# Allegro board RK3576_TEMPLATE_LP4XD200P132SD6_24X34_2133MHz_H1R6_V11_20240529YWQ.brd (continued)
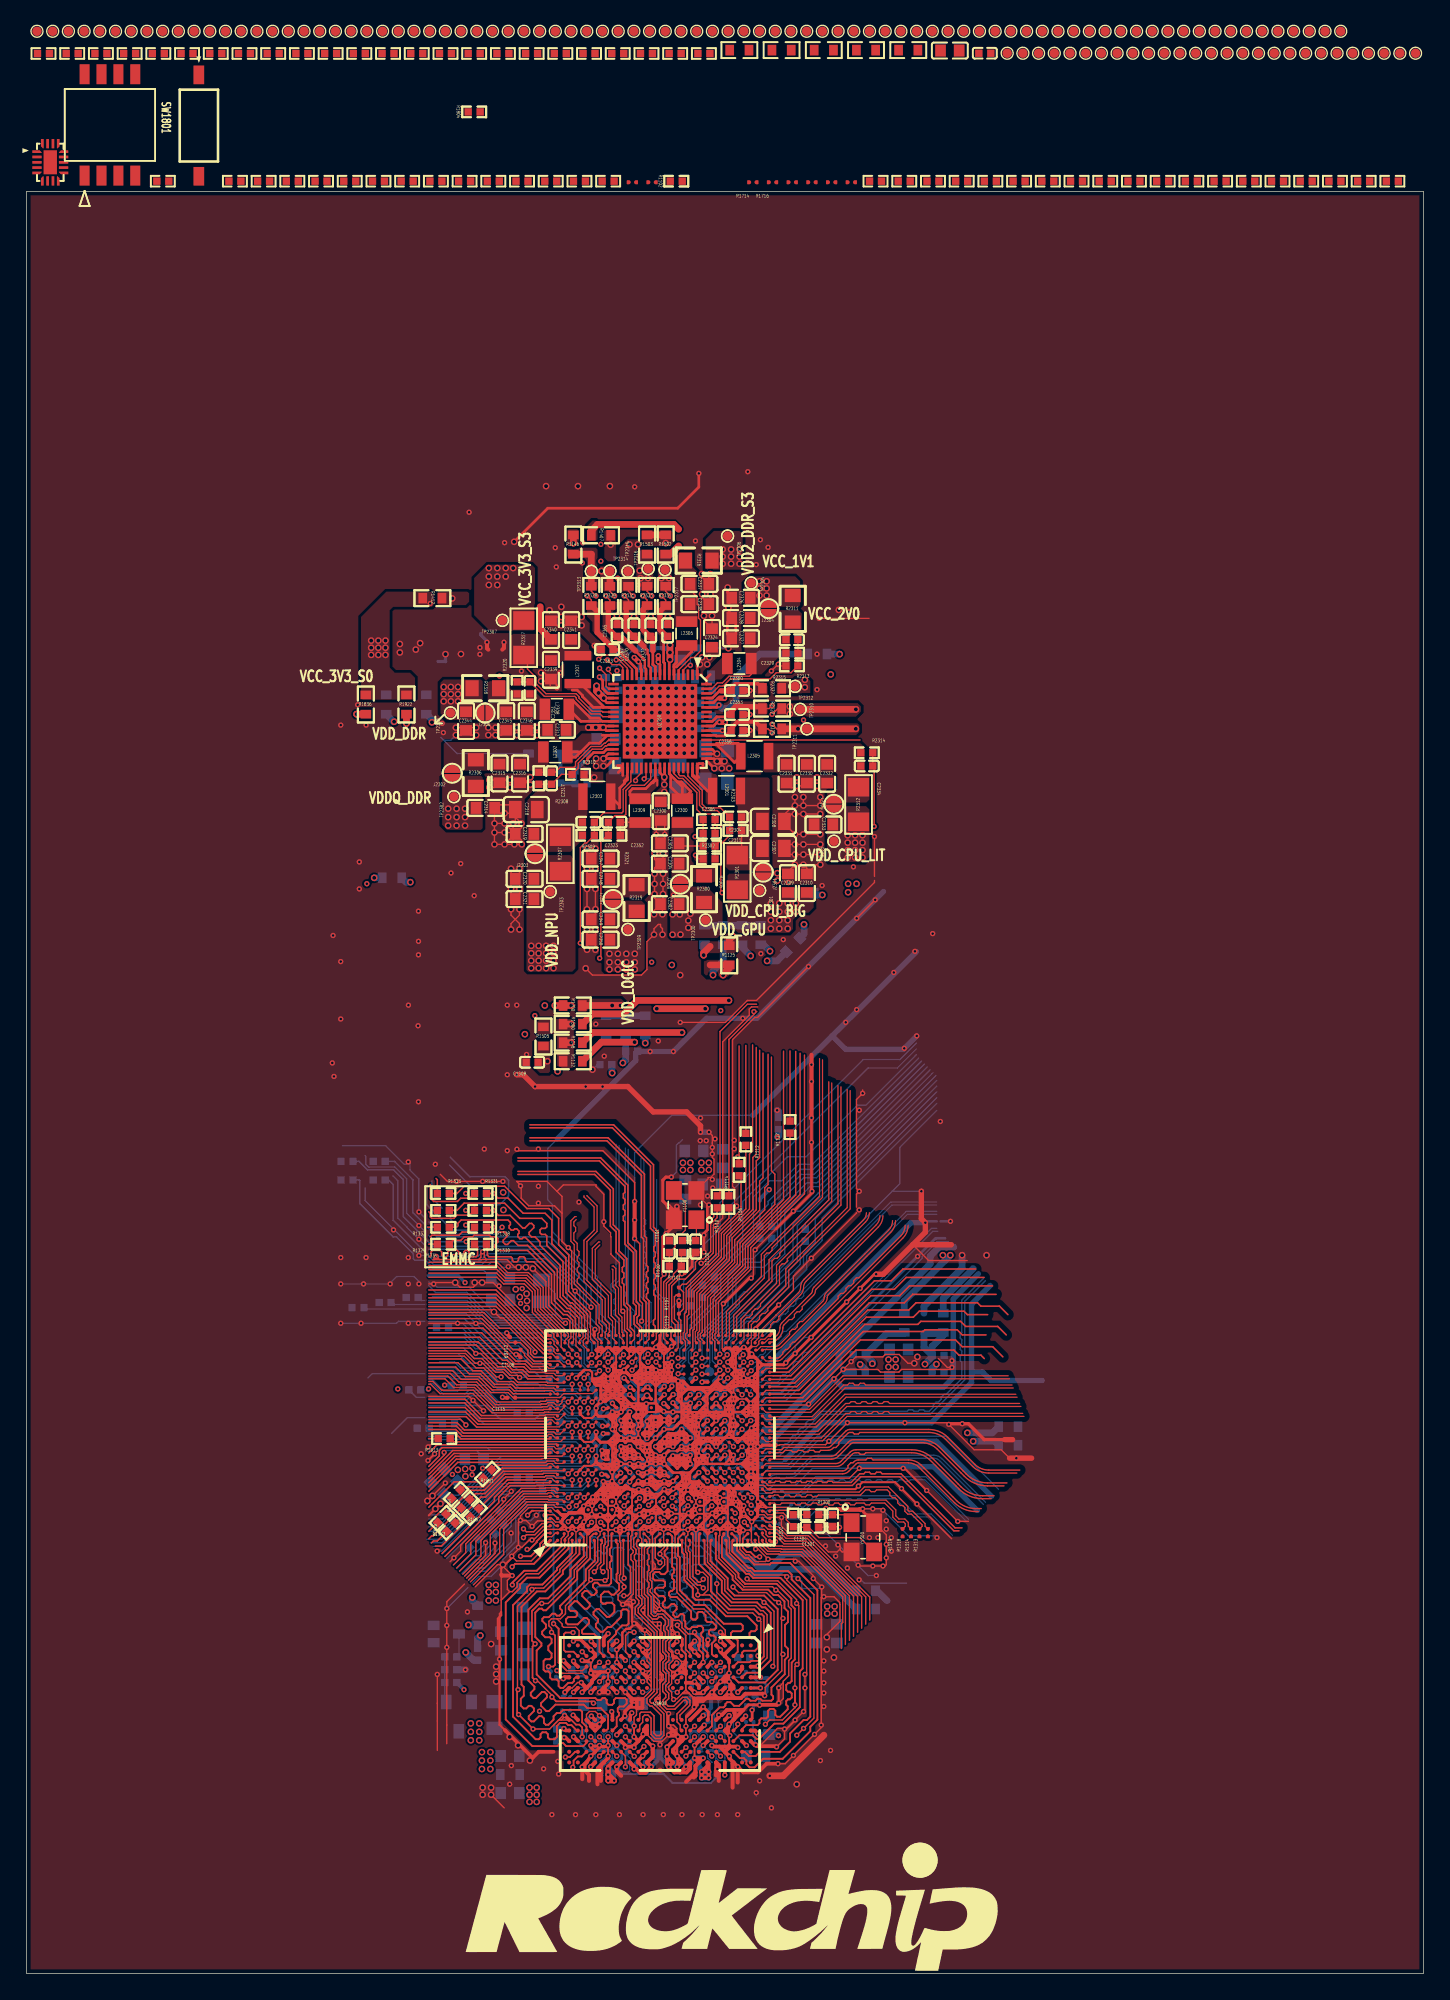
[diagram p0: board, top side]
## Routing (per net, layer and track width the routed paths; a pad name or vN(x,y) marks a point on that pad's centre or on a via; arc(x,y) is an arc through that point) (continued)
LPDDR4_CLKP_B: length 20.5
  TOP w0.107: U3800.P8 46.1,19.16 46.1,19.53 46.21,19.64 46.91,19.64 47.18,19.37 47.18,18.06 47.36,17.88 47.59,17.88 47.7,17.99 47.7,19.42 47.02,20.1 46.88,20.1 46.65,20.33 46.65,20.67 47.18,21.21 47.18,25.61 45.77,27.02 45.77,27.54 46.04,27.81 46.04,28.03 45.82,28.25 45.82,31.02 45.7,31.14 45.7,31.44 45.82,31.56 45.82,31.87 45.65,32.04 45.65,32.69 45.83,32.87 U1000.1K1
LPDDR4_CSN0_A: length 17.9
  TOP w0.114: v1(48.56,35.13) U1000.1R4 ; U3800.H4 v1(50.23,22.59)
  BOTTOM w0.114: v1(50.23,22.59) 49.7,23.11 49.7,23.4 49.53,23.57 49.53,26.16 50.04,26.67 50.28,26.67 50.39,26.78 50.39,27.03 50.05,27.37 50.05,27.6 50.16,27.71 50.43,27.71 50.55,27.83 50.55,27.99 50.43,28.1 50.23,28.1 50.05,28.28 50.05,29.14 50.16,29.25 50.3,29.25 50.42,29.37 50.42,29.6 50.3,29.71 50.16,29.71 50.05,29.83 50.05,30.62 50.16,30.73 50.94,30.73 51.05,30.85 51.05,31.23 50.91,31.37 50.22,31.37 50.1,31.48 50.1,31.69 49.02,32.77 49.02,34.92 48.82,35.13 v1(48.56,35.13)
LPDDR4_CSN0_B: length 19.9
  TOP w0.114: v1(45.02,22.74) 45.02,22.59 U3800.R4 ; U1000.1J5 v1(44.93,35.16)
  BOTTOM w0.089: 44.58,23.75 44.7,23.63 44.7,23.06 v1(45.02,22.74)
  BOTTOM w0.114: 44.58,23.75 43.69,23.75 43.31,24.13 43.31,26.04 41.4,27.94 41.4,30.86 42.02,31.48 42.02,31.64 41.8,31.86 41.8,32.02 41.96,32.18 42.12,32.18 42.34,31.96 42.5,31.96 42.66,32.12 42.66,32.29 42.45,32.5 42.45,32.67 42.61,32.83 42.77,32.83 42.99,32.61 43.15,32.61 43.43,32.89 45.17,32.89 45.28,33.01 45.28,34.8 v1(44.93,35.16)
LPDDR4_CSN1_A: length 17.4
  TOP w0.114: U1000.1T4 v1(49.73,35.16) ; U3800.H3 v1(50.22,23.39)
  BOTTOM w0.114: v1(50.22,23.39) 50.22,23.51 49.87,23.86 49.87,25.86 50.16,26.16 51.31,26.16 51.49,26.34 51.49,26.65 51.37,26.77 51.04,26.77 50.93,26.88 50.93,27.11 51.04,27.23 51.37,27.23 51.49,27.34 51.49,27.57 51.37,27.68 51.04,27.68 50.93,27.8 50.93,28.03 51.04,28.14 51.37,28.14 51.54,28.3 51.54,29.97 51.36,30.15 51.36,30.41 51.54,30.58 51.54,31.27 50.67,32.13 50.27,32.13 49.37,33.03 49.37,35.04 49.48,35.16 v1(49.73,35.16)
LPDDR4_CSN1_B: length 19.5
  TOP w0.114: v1(46.08,35.11) 46.08,35.11 U1000.1K4 ; U3800.R3 v1(45.68,22.74)
  BOTTOM w0.089: v1(45.68,22.74) U3800.R3 45.35,23.75
  BOTTOM w0.114: 45.35,23.75 45.35,23.87 44.83,24.38 44.83,25.27 42.16,27.94 42.16,28.16 42.28,28.28 42.39,28.28 42.5,28.39 42.5,28.62 42.39,28.73 42.28,28.73 41.91,29.1 41.91,30.73 42.31,31.13 42.47,31.13 42.69,30.91 42.85,30.91 43.01,31.07 43.01,31.24 42.79,31.45 42.79,31.62 42.95,31.78 43.12,31.78 43.34,31.56 43.5,31.56 43.66,31.72 43.66,31.88 43.44,32.1 43.44,32.26 43.69,32.51 45.39,32.51 45.59,32.72 45.59,34.63 46.08,35.11 v1(46.08,35.11)
LPDDR4_DMI0_A: length 15.1
  TOP w0.137: U3800.C3 53.49,23.4 54.39,23.4 54.48,23.5 55.1,23.5 55.43,23.82 55.43,26.85 55.28,27 55.08,27 54.71,27.37 52.8,27.37 51.45,28.72 51.45,29.87 50.55,30.78 50.55,32.98 U1000.1V1
LPDDR4_DMI0_B: length 15
  TOP w0.097: 40.59,22.78 40.61,22.76 41.8,22.76 U3800.Y3
  TOP w0.102: U1000.B4 39.65,34.48 39.03,34.48 v1(38.99,34.45)
  TOP w0.137: 40.59,22.78 40.01,23.37 40.01,25.91 v1(39.62,26.29)
  BOTTOM w0.137: v1(38.99,34.45) 39.62,33.82 v1(39.62,26.29)
LPDDR4_DMI1_A: length 22.6
  TOP w0.137: U1000.AE1 52.63,32.5 52.63,31.51 54.11,30.04 54.33,30.04 54.63,29.73 56.68,29.73 58.36,28.06 58.36,22.92 58.14,22.71 58.14,20.02 56.9,18.78 56.23,18.78 55.08,17.63 54.89,17.63 54.61,17.91 53.6,17.91 U3800.C10
LPDDR4_DMI1_B: length 23.9
  TOP w0.102: 40.75,32.39 40.75,32.67 41.02,32.95 U1000.1B1
  TOP w0.137: 40.75,32.39 40.75,31.93 38.57,29.75 37.63,29.75 37.11,29.23 37.11,28.98 36.03,27.89 36.03,19.09 38.03,17.09 39.91,17.09 40.14,17.32 40.34,17.32 40.57,17.09 41.85,17.09 42.1,17.33 U3800.Y10
LPDDR4_DQ0_A: length 14.4
  TOP w0.137: U1000.W1 49.27,31.67 49.45,31.49 49.45,29.57 50.1,28.92 50.1,28.3 50.32,28.09 51.36,28.09 52.59,26.85 54.2,26.85 54.9,26.15 54.9,25.87 54.76,25.73 54.49,25.73 54.36,25.59 54.36,25.32 54.49,25.18 54.85,25.18 54.99,25.04 54.99,24.49 54.76,24.26 53.94,24.26 53.8,24.12 U3800.B2
LPDDR4_DQ0_B: length 14.2
  TOP w0.127: U3800.AA2 41.13,24.19 40.53,24.19 40.4,24.31 40.4,25.5 40.53,25.63 v1(41.09,25.63)
  TOP w0.137: v1(42.48,33.91) 42.48,33.91 U1000.1D2
  L4-SIG w0.117: v1(41.09,25.63) 41.12,25.65 41.13,25.65 41.28,25.81 41.28,31.06 41.45,31.23 41.45,32.05 41.58,32.18 41.74,32.18 41.86,32.06 41.86,31.51 42,31.37 42.16,31.37 42.27,31.47 42.27,33.7 42.48,33.91 v1(42.48,33.91)
LPDDR4_DQ1_A: length 13.9
  TOP w0.137: U1000.1T1 49.35,33.06 48.98,32.7 48.98,31.41 49.12,31.28 49.12,28.8 50.22,27.7 51.01,27.7 52.42,26.29 53.7,26.29 53.85,26.14 53.85,25.86 53.71,25.73 53.1,25.73 52.96,25.59 52.96,25.31 53.1,25.18 53.33,25.18 53.47,25.04 53.47,24.18 U3800.C2
LPDDR4_DQ1_B: length 15.7
  TOP w0.137: U1000.1F2 v1(43.17,33.91) ; U3800.Y2 v1(41.77,24.19)
  L4-SIG w0.117: v1(43.17,33.91) 42.76,33.51 42.76,33.24 42.94,33.07 42.94,32.9 42.76,32.73 42.76,32.47 42.88,32.36 43.68,32.36 43.79,32.24 43.79,32.01 43.68,31.89 42.88,31.89 42.76,31.77 42.76,31.52 42.92,31.37 43.82,31.37 43.94,31.25 43.94,30.93 43.82,30.82 41.89,30.82 41.77,30.7 v1(41.77,24.19)
LPDDR4_DQ2_A: length 14.3
  TOP w0.137: U3800.E2 51.67,23.86 51.53,24 51.53,24.79 51.81,25.07 51.81,25.26 51.67,25.4 51.45,25.4 51.31,25.54 51.31,25.73 51.42,25.85 51.74,25.85 51.85,25.96 51.85,26.13 51.56,26.42 51.19,26.42 51.05,26.55 51.05,26.92 50.8,27.18 50.53,27.18 50.44,27.09 50.44,26.73 50.3,26.59 50.1,26.59 49.97,26.73 49.97,27.22 48.89,28.3 48.44,28.3 48.3,28.43 48.3,28.63 48.44,28.77 48.54,28.77 48.67,28.9 48.67,29.58 48.54,29.72 48.54,30 48.67,30.13 48.67,30.45 48.54,30.58 48.54,32.87 48.35,33.06 U1000.1P1
LPDDR4_DQ2_B: length 19.3
  TOP w0.137: U1000.1G1 43.98,33.01 43.98,32.04 43.85,31.92 43.85,31.46 43.98,31.33 43.98,31.02 43.85,30.9 43.85,30.5 43.95,30.4 43.95,29.35 43.78,29.17 43.12,29.17 42.92,29.37 42.72,29.37 42.59,29.24 42.59,29.04 42.85,28.77 42.85,28.63 42.67,28.45 42.48,28.45 42.17,28.75 41.98,28.75 41.78,28.56 41.78,28.37 42.34,27.81 42.34,27.61 42.15,27.42 41.96,27.42 41.39,27.98 41.2,27.98 40.77,27.55 40.77,27.39 40.9,27.26 41.26,27.26 41.4,27.12 41.4,26.92 41.26,26.79 40.72,26.79 40.56,26.62 40.56,26.38 40.69,26.24 41.43,26.24 41.91,26.73 42.11,26.73 42.29,26.55 42.29,26.32 41.76,25.8 41.76,25.61 41.84,25.53 42.67,25.53 43.08,25.12 43.08,24.18 U3800.V2
LPDDR4_DQ3_A: length 16
  TOP w0.137: U1000.U1 48.18,31.95 47.97,31.74 47.97,31.46 48.2,31.23 48.2,30.25 47.97,30.02 47.73,30.02 47.57,30.17 47.27,30.17 47.11,30.01 47.11,29.69 47.24,29.55 47.87,29.55 48.01,29.41 48.01,29.14 47.87,29 47.36,29 47.23,28.86 47.23,28.67 47.52,28.38 47.87,28.38 48.01,28.24 48.01,28.05 47.84,27.88 47.84,27.64 47.98,27.5 48.22,27.5 48.49,27.77 48.68,27.77 48.88,27.58 48.88,27.38 48.63,27.13 48.63,26.94 48.77,26.8 48.96,26.8 49.17,27.01 49.33,27.01 49.45,26.9 49.45,26.53 49.53,26.45 49.53,26.08 49.71,25.9 49.91,25.9 50.04,26.04 50.42,26.04 50.5,26.12 50.73,26.12 50.87,25.98 50.87,25.72 50.73,25.58 50.73,25.37 50.87,25.23 50.87,24.44 51.2,24.11 U3800.F2
LPDDR4_DQ3_B: length 19.1
  TOP w0.137: U1000.K1 44.33,32.41 44.44,32.3 44.44,30.1 44.36,30.01 44.36,29.46 44.55,29.27 44.55,28.86 44.17,28.47 43.98,28.47 43.75,28.7 43.44,28.7 43.18,28.44 43.18,27.95 43.34,27.79 43.54,27.79 43.62,27.87 44,27.87 44.2,27.68 44.2,27.18 43.82,26.8 43.63,26.8 43.05,27.39 42.85,27.39 42.63,27.16 42.63,26.97 42.97,26.63 42.97,26.44 42.8,26.27 42.8,26.03 43.15,25.69 43.34,25.69 43.69,26.04 43.94,26.04 44.7,26.8 44.7,27.23 44.84,27.37 45.13,27.37 45.27,27.23 45.27,26.3 45.13,26.16 44.78,26.16 44.32,25.71 44.32,25.53 43.73,24.93 43.73,24.18 U3800.U2
LPDDR4_DQ4_A: length 13.6
  TOP w0.137: v1(50.37,34) 50.37,34 U1000.1V3 ; U3800.F4 v1(50.88,22.59)
  L4-SIG w0.089: 50.55,23.62 50.55,22.91 v1(50.88,22.59)
  L4-SIG w0.117: v1(50.37,34) 50.36,34 50.36,33.83 50.69,33.51 50.69,33.21 49.6,32.13 49.6,27.41 50.8,26.21 50.8,23.87 50.55,23.62
LPDDR4_DQ4_B: length 16.6
  TOP w0.114: U3800.U4 v1(44.37,21.94)
  TOP w0.137: U1000.1C3 v1(41.34,33.98)
  L4-SIG w0.117: v1(44.37,21.94) 43.94,22.37 43.58,22.37 43.4,22.55 42.97,22.55 42.43,23.09 40.97,23.09 40.74,23.32 40.74,23.78 40.38,24.13 40.38,25.69 40.78,26.08 40.78,32.27 41.69,33.18 41.69,33.5 41.34,33.84 v1(41.34,33.98)
LPDDR4_DQ5_A: length 15.8
  TOP w0.137: v1(51.52,35.16) U1000.1W4 ; U3800.E4 v1(51.52,21.94)
  L4-SIG w0.089: 51.2,23.63 51.2,22.26 v1(51.52,21.94)
  L4-SIG w0.117: 51.2,23.63 51.61,24.05 51.61,26.11 50.1,27.62 50.1,31.92 51.12,32.95 51.12,33.56 50.96,33.73 50.96,34.6 v1(51.52,35.16)
LPDDR4_DQ5_B: length 15.7
  TOP w0.137: U1000.1B3 v1(40.72,33.96) ; U3800.V4 v1(43.07,21.94)
  L4-SIG w0.117: v1(43.07,21.94) 42.53,21.94 41.87,22.6 40.81,22.6 39.89,23.52 39.89,25.79 40.18,26.09 40.18,26.87 40.01,27.05 40.01,33.24 v1(40.72,33.96)
LPDDR4_DQ6_A: length 17
  TOP w0.137: U3800.C4 53.53,21.88 55.53,21.88 56.48,22.82 56.48,27.39 55.45,28.41 53.23,28.41 52.72,28.93 52.72,29.71 51.42,31 51.42,32.5 U1000.AC1
LPDDR4_DQ6_B: length 17.1
  TOP w0.097: 40.31,22.56 41.8,22.56 U3800.Y4
  TOP w0.102: U1000.A5 39.35,34.78 38.1,34.78
  TOP w0.137: 38.1,34.78 38,34.78 v1(37.67,34.45) ; v1(39.88,22.77) 40.08,22.56 40.31,22.56
  L4-SIG w0.117: v1(39.88,22.77) 39.88,22.94 39.39,23.43 39.39,25.25 39.08,25.56 39.08,26.89 39.37,27.18 39.37,32.76 37.68,34.45 v1(37.67,34.45)
LPDDR4_DQ7_A: length 15
  TOP w0.137: U3800.B4 54.14,22.61 55.01,22.61 55.95,23.55 55.95,27.11 55.54,27.52 55.29,27.52 54.92,27.89 53.02,27.89 52.27,28.63 52.27,29.52 50.98,30.82 50.98,32.51 U1000.AB1
LPDDR4_DQ7_B: length 17.6
  TOP w0.137: U1000.G1 42.72,32.51 42.72,31.42 42.72,31.42 42.72,31.04 42.05,30.36 42.05,29.56 40.11,27.63 40.11,27.43 40.26,27.29 40.26,27.09 40.07,26.9 39.87,26.9 39.73,27.04 39.53,27.04 39.27,26.78 38.9,26.78 38.78,26.66 38.78,26.5 39.05,26.23 39.05,25.98 38.77,25.69 38.77,25.5 39,25.27 39.34,25.27 39.48,25.14 39.48,24.85 39.23,24.61 39.23,24.31 39.48,24.06 39.48,23.76 39.34,23.62 39.01,23.62 38.87,23.48 38.87,22.84 39.01,22.7 39.23,22.7 39.37,22.56 39.37,22.24 39.51,22.1 39.87,22.1 40.01,21.96 40.01,21.6 40.14,21.46 40.35,21.46 40.73,21.84 41.03,21.84 41.15,21.97 41.15,22.12 41.29,22.26 U3800.AA4
LPDDR4_DQ8_A: length 24.2
  TOP w0.137: U3800.B11 54,16.66 54.32,16.34 54.82,16.34 55.13,16.65 56.64,16.65 57.4,17.42 57.4,18.03 58.42,19.05 58.67,19.05 58.93,19.3 58.93,28.22 57.52,29.63 57.52,29.98 57.25,30.25 54.74,30.25 54.51,30.48 54.29,30.48 53.07,31.7 53.07,32.5 U1000.AF1
LPDDR4_DQ8_B: length 22
  TOP w0.102: 40.2,32.42 40.2,32.69 40.42,32.91 U1000.1A1
  TOP w0.137: 40.2,32.42 40.2,32.12 38.36,30.27 37.41,30.27 36.52,29.38 v1(36.52,29.21) ; U3800.AA11 41.25,16.66 40.86,16.27 v1(40.51,16.27)
  L4-SIG w0.117: v1(36.52,29.21) 36.52,21.23 38.99,18.77 38.99,17.25 39.81,16.43 40.35,16.43 v1(40.51,16.27)
LPDDR4_DQ9_A: length 27.2
  TOP w0.137: U1000.1AB1 53.04,33.06 53.42,32.68 53.42,31.8 54,31.22 54.24,31.22 54.71,30.75 55.88,30.75 55.99,30.86 57.4,30.86 59.46,28.8 59.46,19.08 58.93,18.54 58.93,18.21 56.85,16.13 55.38,16.13 54.74,15.49 54.36,15.49 54.12,15.73 54.12,15.99 53.93,16.18 53.63,16.18 U3800.C11
LPDDR4_DQ9_B: length 24.1
  TOP w0.137: U1000.B1 39.91,32.56 38.14,30.79 36.73,30.79 v1(36.51,30.57) ; v1(41.07,15.5) 41.13,15.56 41.13,15.99 41.45,16.31 41.75,16.31 U3800.Y11
  L4-SIG w0.117: v1(41.07,15.5) 39.87,15.5 38.49,16.88 38.49,18.56 36.03,21.03 36.03,30.08 36.51,30.56 v1(36.51,30.57)
LPDDR4_DQ10_A: length 23.4
  TOP w0.137: v1(55.12,31.32) 54.79,31.32 54.43,31.68 54.16,31.68 53.85,31.98 53.85,32.69 U1000.1AD1 ; U3800.E11 v1(52.18,16.33)
  L4-SIG w0.117: v1(55.12,31.32) 55.12,30.75 57.41,28.45 57.41,19.38 56.13,18.09 56.13,17.28 54.8,15.95 52.56,15.95 v1(52.18,16.33)
LPDDR4_DQ10_B: length 23.3
  TOP w0.102: U1000.B2 39.76,33.11 39.49,32.83 39.15,32.83
  TOP w0.137: v1(43.07,16.34) U3800.V11 ; 39.15,32.83 38.61,32.3 38.61,32.05 37.92,31.36 v1(37.14,31.36)
  L4-SIG w0.117: v1(37.14,31.36) 37.14,21.72 39.51,19.35 39.51,17.85 39.51,17.44 40.06,16.88 41.08,16.88 41.98,15.98 42.72,15.98 v1(43.07,16.34)
LPDDR4_DQ11_A: length 21.9
  TOP w0.137: U3800.F11 v1(51.52,16.34) ; U1000.AH1 v1(54.22,32.2)
  L4-SIG w0.117: v1(51.52,16.34) 51.91,16.72 52.95,16.72 53.16,16.51 54.66,16.51 55.6,17.45 55.6,18.26 56.91,19.58 56.91,23.44 56.5,23.86 56.5,27.42 55.88,28.04 55.88,28.96 54.22,30.61 v1(54.22,32.2)
LPDDR4_DQ11_B: length 22.9
  TOP w0.137: v1(44.37,16.34) U3800.U11 ; U1000.A2 38.97,33.11 38.35,32.49 38.35,32.42 37.81,31.88 v1(37.64,31.88)
  L4-SIG w0.117: v1(37.64,31.88) 37.64,21.93 40.01,19.56 40.01,17.64 40.27,17.38 41.68,17.38 42.31,16.75 43.97,16.75 v1(44.37,16.34)
LPDDR4_DQ12_A: length 23.7
  TOP w0.137: U1000.1Y1 51.82,31.14 53.09,29.88 53.09,29.61 53.46,29.23 53.46,29.23 53.84,28.85 55.76,28.85 56.17,28.45 56.51,28.45 56.99,27.97 56.99,27.47 57.25,27.21 57.25,26.42 57.02,26.19 57.02,24.64 57.25,24.41 57.25,23.82 57.01,23.58 57.01,22.49 56.01,21.49 56.01,20.96 56.13,20.83 56.13,20.64 56,20.5 55.32,20.5 55.17,20.65 54.95,20.65 54.81,20.5 54.43,20.5 54.29,20.65 54.1,20.65 53.57,20.12 53.2,20.12 52.93,20.39 52.68,20.39 52.54,20.25 52.54,20.14 52.41,20 52.12,20 51.53,19.41 51.53,18.59 U3800.F9
LPDDR4_DQ12_B: length 24.8
  TOP w0.137: U1000.1E1 42.64,33.06 42.37,32.79 42.37,31.2 41.4,30.24 41.4,29.65 39.06,27.3 38.86,27.3 38.74,27.43 38.54,27.43 38.25,27.13 38.25,25.29 38.71,24.83 38.71,24.63 38.35,24.28 38.35,22.48 40.13,20.7 42.76,20.7 42.92,20.54 43.15,20.54 43.31,20.7 43.48,20.7 43.62,20.56 43.62,20.33 43.75,20.19 44.03,20.19 44.17,20.33 44.17,20.56 44.3,20.7 44.98,20.7 45.12,20.56 45.12,20.29 44.9,20.07 44.58,20.07 44.45,19.94 44.45,19.68 44.54,19.59 44.54,19.4 44.37,19.23 44.37,18.58 U3800.U9
LPDDR4_DQ13_A: length 21.8
  TOP w0.137: U3800.E9 v1(52.18,18.59) ; v1(51.52,33.96) U1000.1W2
  L4-SIG w0.117: v1(52.18,18.59) 52.43,18.84 52.43,20.2 52.67,20.45 53.78,20.45 54.12,20.79 54.12,23.46 54,23.58 53.71,23.58 53.59,23.7 53.59,23.93 53.71,24.05 54,24.05 54.12,24.16 54.12,24.4 54,24.52 53.71,24.52 53.59,24.63 53.59,24.87 53.71,24.98 54,24.98 54.12,25.1 54.12,25.33 54,25.45 53.71,25.45 53.59,25.57 53.59,25.8 53.71,25.92 54,25.92 54.12,26.03 54.12,26.68 52.26,28.54 52.26,29.44 51.11,30.59 51.11,32.23 51.9,33.01 51.9,33.59 v1(51.52,33.96)
LPDDR4_DQ13_B: length 24.4
  TOP w0.137: U3800.V9 43.58,18.26 43.72,18.4 43.72,19.4 43.18,19.94 42.16,19.94 41.89,20.21 39.77,20.21 39.28,19.72 39.08,19.72 38.68,20.12 38.68,20.32 39.13,20.76 39.13,20.97 38.94,21.16 38.75,21.16 38.3,20.71 38.1,20.71 37.91,20.9 37.91,21.1 38.18,21.37 38.18,21.57 37.73,22.02 37.73,27.34 38.59,28.2 39.21,28.2 40.89,29.88 40.89,30.35 41.89,31.35 41.89,32.79 U1000.1C1
LPDDR4_DQ14_A: length 21.5
  TOP w0.137: v1(53.48,18.74) 53.48,18.59 U3800.C9 ; U1000.1AA3 52.17,34.01 v1(52.17,34.01)
  L4-SIG w0.117: v1(52.17,34.01) 52.17,33.92 52.22,33.86 52.22,32.15 52.1,32.04 51.73,32.04 51.61,31.92 51.61,31.69 51.73,31.57 52.1,31.57 52.22,31.45 52.22,31.22 52.1,31.1 51.81,31.1 51.69,30.99 51.69,30.75 51.81,30.64 52.1,30.64 52.22,30.52 52.22,30.18 52.76,29.65 52.76,28.78 53.53,28.01 53.69,28.01 53.84,28.16 54.01,28.16 54.17,27.99 54.17,27.83 54.02,27.68 54.02,27.51 54.62,26.92 54.62,25.98 54.73,25.86 54.87,25.86 54.99,25.75 54.99,25.51 54.87,25.39 54.73,25.39 54.62,25.28 54.62,25.04 54.73,24.93 54.87,24.93 54.99,24.81 54.99,24.58 54.87,24.46 54.73,24.46 54.62,24.34 54.62,20.58 53.98,19.94 53.46,19.94 53.34,19.82 53.34,18.87 v1(53.48,18.74)
LPDDR4_DQ14_B: length 23.9
  TOP w0.137: U3800.Y9 42.1,18.55 41.77,18.88 41.77,19.67 41.64,19.81 40.35,19.81 40.11,19.58 39.87,19.58 39.62,19.33 39.62,19.08 39.23,18.69 39.04,18.69 38.9,18.83 38.9,19.17 38.73,19.34 38.54,19.34 38.14,18.95 37.95,18.95 37.76,19.14 37.76,19.33 38.15,19.73 38.15,19.92 37.95,20.11 37.76,20.11 37.57,19.92 37.37,19.92 37.16,20.14 37.16,20.65 37.39,20.88 37.39,21.54 37.21,21.72 37.21,27.56 38.37,28.72 39,28.72 40.32,30.04 40.32,30.29 41.57,31.54 U1000.E1
LPDDR4_DQ15_A: length 23
  TOP w0.137: U3800.B9 53.8,18.37 54.1,18.67 54.97,18.67 55.11,18.81 55.11,19.04 55.24,19.18 55.62,19.18 55.75,19.31 55.75,19.75 55.89,19.88 56.16,19.88 56.3,19.75 56.3,19.43 56.44,19.29 56.66,19.29 57.23,19.86 57.23,20.09 57.12,20.2 57.12,20.47 57.25,20.6 57.4,20.6 57.53,20.74 57.53,21.04 57.4,21.18 57.25,21.18 57.12,21.31 57.12,21.68 57.28,21.84 57.39,21.84 57.53,21.98 57.53,23.36 57.76,23.6 57.76,27.42 57.51,27.68 57.51,28.18 56.39,29.29 54.03,29.29 54.02,29.3 53.8,29.51 53.53,29.79 53.53,30.06 52.28,31.31 52.28,32.8 52.42,32.94 U1000.1AA1
LPDDR4_DQ15_B: length 23.2
  TOP w0.137: U1000.D1 41.02,31.63 39.88,30.48 39.88,30.33 38.79,29.24 37.84,29.24 37.63,29.02 37.63,28.74 36.58,27.69 36.58,19.3 38.27,17.61 38.51,17.61 38.65,17.74 38.65,17.99 38.78,18.13 39.06,18.13 39.2,17.99 39.2,17.74 39.33,17.61 39.69,17.61 39.88,17.79 39.88,18.61 40.1,18.83 40.55,18.83 40.71,18.67 40.97,18.67 41.37,18.26 U3800.AA9
LPDDR4_DQS0N_A: length 13.1
  TOP w0.107: U3800.E3 v1(52.18,23.39) ; U1000.Y1 49.88,32.51 49.88,32.2 49.76,32.08 49.76,31.78 49.88,31.66 49.88,29.75 50.44,29.19 50.66,29.19 v1(50.88,28.98)
  L4-SIG w0.089: v1(50.88,28.98) 51.08,29.18 51.21,29.18 51.31,29.08 51.31,28.45 51.47,28.29 51.47,28.06 51.66,27.86 51.9,27.86 52.1,27.66 52.1,27.43 52.29,27.23 52.53,27.23 52.72,27.03 52.72,26.75 52.56,26.59 52.56,26.31 52.72,26.14 52.72,25.86 52.56,25.7 52.56,25.42 52.72,25.25 52.72,24.69 52.56,24.52 52.56,24.24 52.72,24.08 52.72,23.33 52.51,23.11 52.26,23.11 52.18,23.2 v1(52.18,23.39)
LPDDR4_DQS0N_B: length 19.1
  TOP w0.107: U3800.V3 v1(43.72,23.39) ; v1(43.35,30.2) 43.15,30.39 43.15,30.55 43.4,30.8 43.4,32.16 43.5,32.26 43.5,32.7 43.43,32.78 U1000.1F1
  L4-SIG w0.089: v1(43.35,30.2) 43.15,29.99 43.15,29.43 42.51,28.8 42.51,27.34 42.6,27.25 42.84,27.25 42.93,27.34 42.93,28.59 43.16,28.83 43.74,28.83 43.98,28.59 43.98,27.4 44.58,26.8 44.58,26.06 44.34,25.82 43.92,25.82 43.36,26.38 42.6,26.38 42.51,26.3 42.51,26 42.6,25.91 43.07,25.91 43.31,25.67 43.31,25.4 43.64,25.06 43.64,24.69 43.41,24.45 43.29,24.45 43.2,24.36 43.2,24.23 43.56,23.88 43.56,23.55 v1(43.72,23.39)
LPDDR4_DQS0P_A: length 13.2
  TOP w0.107: U3800.D3 v1(52.18,22.74) ; U1000.1U1 50.1,32.98 50.1,29.84 50.53,29.42 50.66,29.42 v1(50.88,29.64)
  L4-SIG w0.089: v1(50.88,29.64) 51.08,29.43 51.31,29.43 51.56,29.18 51.56,28.55 52.98,27.14 52.98,23.23 52.61,22.86 52.3,22.86 v1(52.18,22.74)
LPDDR4_DQS0P_B: length 18.6
  TOP w0.107: v1(42.69,30.2) 42.93,30.43 42.93,30.64 43.18,30.89 43.18,32.26 43.28,32.35 43.28,32.51 U1000.H1 ; U3800.W3 v1(43.07,23.39)
  L4-SIG w0.089: v1(42.69,30.2) 42.89,29.99 42.89,29.54 42.26,28.9 42.26,27.23 42.5,26.99 42.94,26.99 43.18,27.23 43.18,28.49 43.27,28.58 43.64,28.58 43.72,28.49 43.72,27.29 44.32,26.69 44.32,26.17 44.23,26.08 44.03,26.08 43.47,26.64 42.5,26.64 42.26,26.4 42.26,25.89 42.5,25.65 42.96,25.65 43.05,25.57 43.05,25.29 43.39,24.96 43.39,24.79 43.3,24.7 43.19,24.7 42.95,24.47 42.95,24.13 43.31,23.77 43.31,23.62 v1(43.07,23.39)
LPDDR4_DQS1N_A: length 23.2
  TOP w0.107: v1(53.28,34) U1000.1AB3 ; U3800.E10 v1(51.53,17.79)
  L4-SIG w0.089: v1(53.28,34) 53.12,34.16 53.05,34.16 52.96,34.07 52.96,33.15 53.47,32.64 53.47,31.75 53.21,31.5 53.21,30.71 53.83,30.1 53.83,29.1 53.97,28.96 54.48,28.96 54.99,28.45 54.99,27.69 55.88,26.8 55.88,23.39 55.74,23.25 55.74,22.96 56.14,22.57 56.14,20.26 53.08,17.2 51.98,17.2 51.74,17.44 51.74,17.57 v1(51.53,17.79)
LPDDR4_DQS1N_B: length 23.3
  TOP w0.102: U1000.B3 39.76,33.66 39.49,33.93 39.21,33.93 39.2,33.93
  TOP w0.107: U3800.V10 v1(43.07,17.79) ; 39.2,33.93 39.1,33.82 38.74,33.82 38.13,33.2 37.58,33.2 v1(37.36,33.42)
  L4-SIG w0.089: v1(43.07,17.79) 42.86,18 42.86,18.17 42.51,18.53 42.01,18.53 41.92,18.62 41.92,20.06 41.39,20.59 40.53,20.59 38.61,22.51 38.61,23.75 38.84,23.98 38.84,25.04 38.37,25.51 38.37,25.93 38.6,26.15 38.6,27.21 38.37,27.43 38.37,28.24 38.61,28.47 38.61,32.82 38.22,33.21 37.57,33.21 v1(37.36,33.42)
LPDDR4_DQS1P_A: length 23.2
  TOP w0.107: v1(53.28,34.6) U1000.1AB4 ; U3800.D10 v1(52.18,17.79)
  L4-SIG w0.089: v1(52.18,17.79) 51.99,17.6 51.99,17.55 52.08,17.46 52.97,17.46 55.89,20.37 55.89,21.18 55.75,21.31 55.75,21.62 55.89,21.75 55.89,22.46 55.49,22.86 55.49,23.36 55.63,23.5 55.63,23.93 55.49,24.06 55.49,24.37 55.63,24.5 55.63,24.81 55.49,24.94 55.49,25.25 55.63,25.38 55.63,26.69 54.74,27.58 54.74,28.34 54.38,28.7 53.87,28.7 53.57,29 53.57,29.99 52.96,30.61 52.96,31.6 53.21,31.86 53.21,32.53 52.7,33.04 52.7,34.18 52.94,34.42 53.18,34.42 53.28,34.51 v1(53.28,34.6)
LPDDR4_DQS1P_B: length 22.4
  TOP w0.107: v1(37.36,32.76) 37.58,32.98 38.22,32.98 38.84,33.6 39.31,33.6 U1000.A3 ; U3800.W10 v1(42.43,17.79)
  L4-SIG w0.089: v1(42.43,17.79) 42.61,17.97 42.61,18.07 42.4,18.27 41.9,18.27 41.66,18.51 41.66,19.95 41.28,20.33 40.43,20.33 38.35,22.41 38.35,23.85 38.58,24.08 38.58,24.94 38.12,25.4 38.12,26.03 38.34,26.26 38.34,27.1 38.12,27.33 38.12,28.34 38.35,28.58 38.35,30.85 38.19,31.01 38.19,31.29 38.35,31.46 38.35,31.73 38.24,31.85 38.24,32.16 38.35,32.27 38.35,32.72 38.11,32.96 37.56,32.96 v1(37.36,32.76)
LPDDR4_RESET: length 43.1
  TOP w0.114: v1(49.77,35.71) 49.77,35.71 U1000.1U5 ; v1(45.03,15.54) 45.03,16.34 U3800.T11
  L4-SIG w0.091: v1(49.77,35.71) 50.17,36.11 54.8,36.11 55.37,35.54 55.37,32.89 58.87,29.38 58.87,18.09 56.91,16.13 56.26,16.13 55.32,15.19 53.33,15.19 53.06,15.46 52.36,15.46 52.04,15.79 50.35,15.79 49.48,14.91 45.28,14.91 45.03,15.17 v1(45.03,15.54)
  BOTTOM w0.114: v1(45.03,15.54) 45.12,15.64 C3800.1
MIPI_CSI1/2_AVDD0V75: length 47
  TOP w0.229: U1000.2L11 v1(50.55,43.51)
  TOP w0.508: v2(52.81,73.15) 45.91,73.15 44.89,72.14 42.55,72.14 R1500.1
  L4-SIG w0.178: 52.31,47.26 51.76,46.71 51.76,44.51 50.76,43.51 v1(50.55,43.51)
  L4-SIG w0.508: v2(52.81,73.15) 52.81,67.71 56.45,64.06 v1(56.45,62.89) 56.45,54.23 55.65,53.43 55.65,51.46 52.31,48.12 52.31,47.26
  BOTTOM w0.305: v1(50.55,43.51) 50.83,43.79 C1500.1
  BOTTOM w0.508: C1501.1 56.55,63 v1(56.45,62.89)
MIPI_CSI1/2_AVDD1V8: length 37.5
  TOP w0.229: v1(50.79,44.46) U1000.1W20
  L4-SIG w0.178: 51.05,47.46 51.05,46.74 51.18,46.61 51.18,44.85 v1(50.79,44.46)
  L4-SIG w0.457: v2(51.61,75.06) 51.61,67.18 55.22,63.57 55.22,56.04 53.52,54.34 53.52,52.23 51.05,49.76 51.05,49.15
  L4-SIG w0.508: 51.05,49.15 51.05,47.46
  BOTTOM w0.305: C1502.1 51.17,44.53 50.86,44.53 v1(50.79,44.46)
  BOTTOM w0.508: v2(51.61,75.06) 51.61,75.36 52.38,76.13 R1501.1
MIPI_CSI3/4_AVDD0V75: length 29.1
  TOP w0.229: v1(45.35,43.51) U1000.2D11
  L4-SIG w0.203: 41.91,46.73 41.91,45.85 43.43,44.32 44.32,44.32 45.14,43.51 v1(45.35,43.51)
  L4-SIG w0.508: 41.91,46.73 41.91,47.12 41.27,47.75 41.27,48.92 39.16,51.03 v2(39.16,68.58)
  BOTTOM w0.305: v1(45.35,43.51) 45.33,43.49 C1507.1
MIPI_CSI3/4_AVDD1V8: length 27.5
  TOP w0.229: v1(45.39,44.06) 45.39,44.05 45.46,44.05 U1000.2D12
  L4-SIG w0.203: 43.94,47.07 44.15,46.86 44.15,44.99 45.09,44.05 45.38,44.05 v1(45.39,44.06)
  L4-SIG w0.508: 43.94,47.07 43.26,47.75 42.42,47.75 41.89,48.28 41.89,49.3 39.98,51.2 39.98,67.76 v2(39.92,67.82)
  BOTTOM w0.305: v1(45.39,44.06) 45.38,44.06 45.33,44.12 C1510.1
MIPI_DCPHY_AVDD: length 102.7
  TOP w0.229: U1000.2M7 50.88,40.59 v1(51.2,40.91)
  TOP w0.508: R1502.1 R1503.1
  L4-SIG w0.089: 54.13,41.07 54.18,41.02 54.18,40.77 ; 54.13,41.07 54.13,40.82 ; 54.13,41.07 53.97,41.23 53.67,41.23 ; 53.47,40.76 53.47,40.77 ; 53.47,40.76 53.72,40.51 ; 53.47,40.76 53.47,40.52 53.47,40.51 ; 53.47,40.77 53.47,41.04 ; 53.47,40.77 53.21,40.51 ; 51.52,41.23 51.71,41.23 ; 51.52,41.23 v1(51.2,40.91) 51.2,41.14 51.29,41.23 51.52,41.23 ; 51.71,41.23 51.39,40.91 51.38,40.91 ; 51.71,41.23 51.98,41.23 ; 51.98,41.23 52.15,41.07 52.32,41.23 ; 51.98,41.23 52.32,41.23 ; 52.32,41.23 52.59,41.23 ; 52.78,41.05 52.59,41.23 ; 52.78,41.05 52.78,40.71 ; 52.78,41.05 52.96,41.23 ; 52.59,41.23 52.96,41.23 ; 53.47,41.05 53.28,41.23 ; 53.47,41.05 53.47,41.23 ; 53.47,41.05 53.47,41.04 ; 53.28,41.23 52.96,41.23 ; 53.28,41.23 53.47,41.23 ; 54.18,40.77 54.18,40.64 54.26,40.56 ; 54.18,40.77 54.13,40.82 ; 54.18,40.77 54.13,40.77 54.13,40.77 54.13,40.82 ; 53.67,41.23 53.48,41.04 ; 53.67,41.23 53.47,41.23 ; 52.97,40.51 52.78,40.71 ; 52.78,40.71 52.58,40.51
  L4-SIG w0.102: 53.87,40.51 54.06,40.51 ; 53.87,40.51 54.13,40.77 ; 53.87,40.51 52.25,40.51 ; 54.06,40.51 54.56,40.51 ; 54.06,40.51 54.18,40.64 ; 55.37,41.21 54.67,40.51 54.56,40.51 ; 51.44,40.51 51.78,40.51 ; 51.44,40.51 51.3,40.51 51.2,40.61 v1(51.2,40.91) ; 51.44,40.51 51.44,40.67 v1(51.2,40.91) ; 51.78,40.51 51.38,40.91 v1(51.2,40.91) ; 51.78,40.51 51.94,40.51 ; 52.25,40.51 51.94,40.51 ; 52.25,40.51 52.1,40.67 51.94,40.51 ; 54.56,40.51 54.61,40.56
  L4-SIG w0.152: 54.65,40.6 54.61,40.56 54.26,40.56 ; 54.65,40.6 54.67,40.62 ; 54.65,40.6 54.35,40.6 54.33,40.62 ; 54.9,40.86 55.26,41.21 55.37,41.21 ; 54.9,40.86 54.9,41.19 54.99,41.27 ; 54.9,40.86 54.67,40.62 ; 54.18,40.77 54.33,40.62 ; 54.33,40.62 54.67,40.62
  L4-SIG w0.305: 54.27,107.19 54.27,107.03 ; 51.28,107.66 53.8,107.66 ; 50.75,107.14 50.04,107.14 49.64,107.54 v2(48.05,107.54)
  L4-SIG w0.508: 54.27,107.03 54.27,97.5 55.22,96.55 55.22,92.56 54.48,91.82 54.48,77.97 54.99,77.46 56.15,77.46 60.25,73.36 60.25,70.7 61.45,69.5 61.45,51.48 62.68,50.25 v2(62.68,45.79) 58.1,41.21 55.37,41.21
  BOTTOM w0.305: v1(51.2,40.91) 50.9,41.2 C1504.1
  BOTTOM w0.508: v2(62.68,45.79) 63.06,45.4 C1505.1
